# KiCad board cynthion.kicad_pcb (continued)
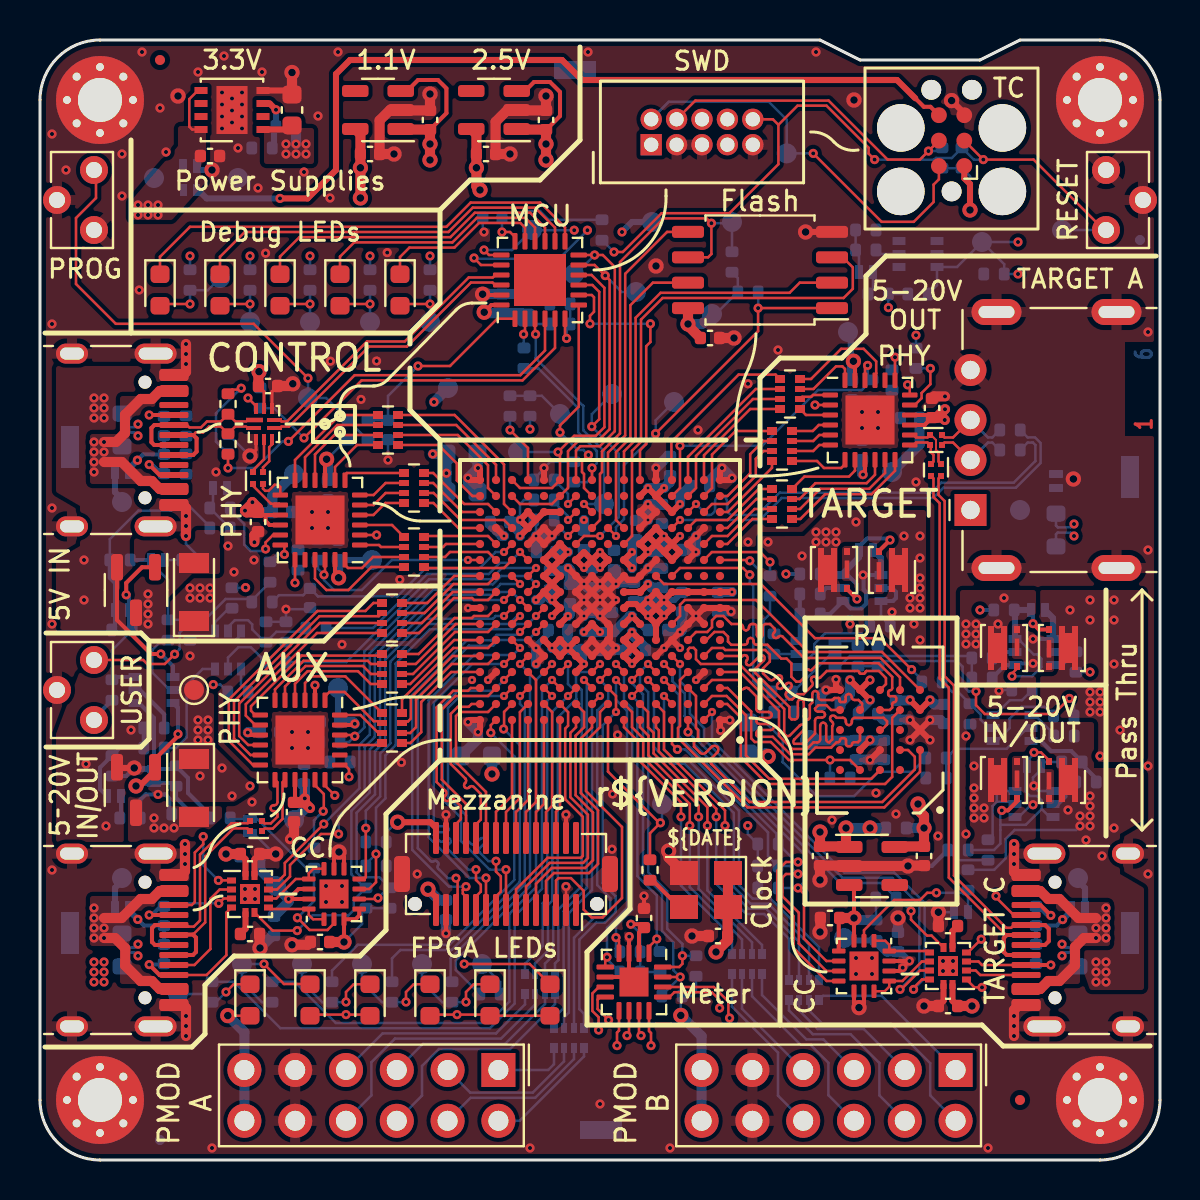
[diagram p0: board, top side]
## Library data of the parts (continued)
J1 J2 J4 = -: Description: USB 2.0-only Type-C Receptacle connector; Manufacturer: DEALON; Part Number: USB-TYPE-C-019; Substitution: Yuandi TYPE-611A-T3
J3 = -: Description: USB Type A connector; Manufacturer: Jing Extension of the Electronic Co.; Part Number: C42411; Substitution: Kycon KUSBXHT-SB-AS1N-B30-NF, Tensility 54-00015, GCT USB1125-GF-B
J5 = -: Description: Generic connectable mounting pin connector, double row, 02x15, counter clockwise pin numbering scheme (similar to DIP package numbering), script generated (kicad-library-utils/schlib/autogen/connector/); Manufacturer: Amphenol; Part Number: 10132798-031100LF
J6 = -: Description: Cortex Debug Connector, standard ARM Cortex-M SWD and JTAG interface; DNP: DNP; Manufacturer: Samtec; Part Number: FTSH-105-01-F-D-K
J7 J8 = -: Description: Generic connector, double row, 02x06, top/bottom pin numbering scheme (row 1: 1...pins_per_row, row2: pins_per_row+1 ... num_pins), script generated (kicad-library-utils/schlib/autogen/connector/); Manufacturer: DEALON; Note: populate only when assembling for installation in enclosure; Part Number: DW254W-22-12-85; Substitution: HCTL PM254-2-06-W-8.5, Sullins PPPC062LJBN-RC
J10 = -: Description: Generic connector, double row, 02x03, odd/even pin numbering scheme (row 1 odd numbers, row 2 even numbers), script generated (kicad-library-utils/schlib/autogen/connector/); Manufacturer: Tag-Connect; Part Number: TC2030-CTX; Substitution: TC2030-IDC
J11-J16 = -: Description: Generic connector, single row, 01x01, script generated; Manufacturer: BAT WIRELESS; Note: populate only when assembling for installation in enclosure; Part Number: BW0033AG-L3.4W0.9H1.8
Q1 Q2 Q4-Q7 = -: Description: -12A Id, -30V Vds, P-Channel MOSFET, PowerPAK SC70-6; Manufacturer: Vishay Siliconix; Part Number: SIA483ADJ-T1-GE3; Substitution: SIA483DJ-T1-GE3, Nexperia PMPB16EPX, PMPB27EP,115
Q3 Q8 Q11 Q16 = -: Description: 100mA IC, 45V Vce, Dual NPN/NPN Transistors, SOT-363; Manufacturer: Yangzhou Yangjie; Part Number: BC847BS
Q9 Q12 = -: Description: P-MOSFET transistor, gate/source/drain; Manufacturer: Yangzhou Yangjie; Part Number: YJL3401A; Substitution: Alpha & Omega AO3401A
Q10 Q13-Q15 = -: Description: Dual PNP transistor, 6 pin package; Manufacturer: Yangzhou Yangjie; Part Number: BC857BS
R1 R2 R42 R59 = -: Description: Shunt resistor; Manufacturer: Panasonic; Part Number: ERJ-3BWFR020V
R3 R43 R47-R49 R60 R61 R69 R70 R76 R77 R107 = -: Description: Resistor; Manufacturer: Panasonic; Part Number: ERJ-2GEJ333X; Substitution: any equivalent
R4 R16 R18 R20 R51 R53 R101 R105 = -: Description: Resistor; Manufacturer: Panasonic; Part Number: ERJ-2RKF8061X; Substitution: any equivalent
R5 R8-R10 R30 R31 R33 R38 R40 R63 R65 R71 R78 R83 R84 R88 R97 R98 = -: Description: Resistor; Manufacturer: Yageo; Part Number: RC0402JR-072K2L; Substitution: any equivalent
R6 R7 R11 R13 R34 R35 R44-R46 R87 R102 R109 R110 R119 = -: Description: Resistor; Manufacturer: Yageo; Part Number: RC0402JR-075K1L; Substitution: any equivalent
R12 R14 R108 = -: Description: Resistor; Manufacturer: Yageo; Part Number: RC0402FR-13330RL; Substitution: any equivalent
R15 R22-R24 R29 R41 R64 R66 R72 R79 R89 R106 R111 = -: Description: Resistor; Manufacturer: Yageo; Part Number: RC0402JR-0710KL; Substitution: any equivalent
R17 R19 R21 = -: Description: Resistor; Manufacturer: Yageo; Part Number: RC0402JR-0720KL; Substitution: any equivalent
R25 R55 R56 R68 R75 = -: Description: Resistor; Manufacturer: Yageo; Part Number: RC0402JR-07820KL; Substitution: any equivalent
R26-R28 R57 R58 R118 = -: Description: Resistor; Manufacturer: Yageo; Part Number: RC0402JR-071KL; Substitution: any equivalent
R32 R36 R50 R54 R103 R112-R116 = -: Description: Resistor; Manufacturer: Yageo; Part Number: RC0402FR-070RL; Substitution: any equivalent
R37 R39 R85 R86 R99 R100 = -: Description: Resistor; DNP: DNP; Manufacturer: Yageo; Part Number: RC0402JR-0710KL; Substitution: any equivalent
R52 = -: Description: Resistor; Manufacturer: Yageo; Part Number: RC0402FR-0729K4L; Substitution: any equivalent
R62 R90-R96 R120 = -: Description: Resistor; Manufacturer: Panasonic; Part Number: ERJ-2GEJ104X; Substitution: any equivalent
R67 R73 R74 R80 R104 = -: Description: Resistor; Manufacturer: Panasonic; Part Number: ERJ-2RKF1872X; Substitution: any equivalent
R81 = -: Description: Resistor; DNP: DNP; Manufacturer: Yageo; Part Number: RC0402FR-0757K6L; Substitution: any equivalent
R82 = -: Description: Resistor; DNP: DNP; Manufacturer: Panasonic; Part Number: ERJ-2RKF1872X; Substitution: any equivalent
R117 = -: Description: Resistor; DNP: DNP; Manufacturer: Yageo; Part Number: RC0402FR-070RL; Substitution: any equivalent
RN1-RN4 = -: Description: 4 resistor network, parallel topology; Manufacturer: Yageo; Part Number: YC124-JR-0733RL; Substitution: any equivalent
RN5-RN13 = -: Description: 4 resistor network, parallel topology; Manufacturer: Yageo; Part Number: YC124-JR-070RL; Substitution: any equivalent
SW1-SW3 = -: Description: Single Pole Single Throw (SPST) switch with shield; Manufacturer: XKB; Part Number: TC-1109DE-B-F; Substitution: DEALON TC-1150DL-6.0H-160
TP1-TP12 TP14-TP24 TP26-TP28 TP30-TP32 TP34-TP41 TP43 TP47 TP49 TP52-TP55 = -: Description: test point
U1 = -: Description: Single/Multi-Channel Power Monitor with Accumulator, 32V Full-Scale Range; Manufacturer: Microchip; Part Number: PAC1954T-E/4MX
U2 U12 = -: Description: Programmable USB Type-C Controller w/PD, I2C address 0x22, WQFN-14; Manufacturer: onsemi; Part Number: FUSB302BMPX; Substitution: FUSB302BVMPX
U3 = -: Description: low dropout regulator; Manufacturer: Diodes Inc.; Part Number: AP7361EA-33FGE-7; Substitution: AP7361C-33FGE-7
U4 = -: Description: 300mA Low-dropout Voltage Regulator, Vout 1.8V, Vin up to 5.5V, SOT-23; Manufacturer: Toshiba; Part Number: TCR2EF115,LM(CT
U5 = -: Description: 300mA Low-dropout Voltage Regulator, Vout 2.5V, Vin up to 5.5V, SOT-23; Manufacturer: Microchip; Part Number: MIC5504-2.5YM5-TR
U6 = -: Description: ARM Cortex-M0+ MCU, 48MHz, 16KB Flash, 4KB RAM, 1.6-3.6V, 22 GPIO, QFN-24; Manufacturer: Microchip; Part Number: ATSAMD11D14A-MUT; Substitution: ATSAMD11D14A-MNT
U7 = -: Description: 32Mb Serial Flash Memory, Standard/Dual/Quad SPI, SOIC-8; Manufacturer: Winbond; Part Number: W25Q32JVSSIQ
U8 U9 U11 = -: Description: ULPI USB Transciever (PHY); Manufacturer: Microchip
U10 = -: Description: DRAM 64Mb HyperRAM x8, 166MHz, Ind temp, 3.0V; Manufacturer: Winbond; Part Number: W956A8MBYA6I; Substitution: W956A8MBYA5I
U13 U14 = -: Description: 4-CH OVER-VOLTAGE PROTECTION FOR CC/SBU PINS ON USB TYPE-C; Manufacturer: Diodes Inc.; Part Number: DPO2036DBB-7
U15 = -: Description: 300mA Low-dropout Voltage Regulator, Vout 1.8V, Vin up to 5.5V, SOT-23; DNP: DNP; Manufacturer: Microchip; Part Number: MIC5504-1.8YM5-TR
U16 = -: Description: USB 2.0 SPDT switch; Manufacturer: Diodes Inc.; Part Number: PI3USB102GZLEX
Y1 = -: Description: MEMS OSC XO 60.0000MHZ H/LV-CMOS; Manufacturer: SiTIME; Part Number: SIT1602BC-23-33E-60.000000E; Substitution: SIT1602B*-2*-33E-60.000000*, SIT1602B*-2*-33N-60.000000*

## Footprints (pads in the part's own frame, mm; a bottom-side part is the same pattern mirrored in y, then rotated)
Amphenol_10132798-03
  round 0.7 hole 0.7 unplated: (-4.55,1.5) (4.55,1.5)
  rrect 0.3x1.6 smd: 1(-3.5,1.8) 2(-3,1.8) 3(-2.5,1.8) 4(-2,1.8) 5(-1.5,1.8) 6(-1,1.8) 7(-0.5,1.8) 8(0,1.8) 9(0.5,1.8) 10(1,1.8) 11(1.5,1.8) 12(2,1.8) 13(2.5,1.8) 14(3,1.8) 15(3.5,1.8) 16(3.5,-1.8) 17(3,-1.8) 18(2.5,-1.8) 19(2,-1.8) 20(1.5,-1.8) 21(1,-1.8) 22(0.5,-1.8) 23(0,-1.8) 24(-0.5,-1.8) 25(-1,-1.8) 26(-1.5,-1.8) 27(-2,-1.8) 28(-2.5,-1.8) 29(-3,-1.8) 30(-3.5,-1.8)
  rrect 0.8x1.8 smd: MP(-5.2,0) MP(5.2,0)
BGA-24_5x5_6.0x8.0mm
  round 0.4 smd: A2(-1,2) A3(0,2) A4(1,2) A5(2,2) B1(-2,1) B2(-1,1) B3(0,1) B4(1,1) B5(2,1) C1(-2,0) C2(-1,0) C3(0,0) C4(1,0) C5(2,0) D1(-2,-1) D2(-1,-1) D3(0,-1) D4(1,-1) D5(2,-1) E1(-2,-2) E2(-1,-2) E3(0,-2) E4(1,-2) E5(2,-2)
BW0033AG-L3.4W0.9H1.8
  rect 2.1x0.9 smd: 1(-0.65,0)
C_0402_1005Metric
  rrect 0.56x0.62 smd: 1(-0.48,0) 2(0.48,0)
C_0603_1608Metric
  rrect 0.9x0.95 smd: 1(-0.775,0) 2(0.775,0)
Crystal_SMD_3225-4Pin_3.2x2.5mm
  rect 1.4x1.2 smd: 1(-1.1,-0.85) 2(1.1,-0.85) 3(1.1,0.85) 4(-1.1,0.85)
D_SOD-123FL
  rect 1x1.5 smd: 1(-1.45,0) 2(1.45,0)
DFN1006-2
  rrect 0.4x0.7 smd: 1(-0.35,0) 2(0.35,0)
DFN-8-1EP_3x3mm_P0.65mm_EP1.55x2.4mm
  rect 0.6x1 smd: (-0.388,0.6) (-0.388,-0.6) (0.388,0.6) (0.388,-0.6)
  rect 0.65x0.35 smd: 1(-1.55,0.975) 2(-1.55,0.325) 3(-1.55,-0.325) 4(-1.55,-0.975) 5(1.55,-0.975) 6(1.55,-0.325) 7(1.55,0.325) 8(1.55,0.975)
  rect 1.55x2.4 smd: 9(0,0)
Diodes_10-TQFN_ZL
  rect 0.85x0.225 smd: 1(-0.475,0.2)
  rect 0.75x0.2 smd: 2(-0.525,-0.2) 6(0.525,-0.2) 7(0.525,0.2)
  rect 0.2x0.55 smd: 3(-0.4,-0.775) 4(0,-0.775) 5(0.4,-0.775) 8(0.4,0.775) 9(0,0.775) 10(-0.4,0.775)
Diodes_UQFN2020-12_Type-B
  rect 0.45x0.3 smd: 1(-0.925,0.675) 2(-0.925,0.225) 3(-0.925,-0.225) 4(-0.925,-0.675) 7(0.925,-0.675) 8(0.925,-0.225) 9(0.925,0.225) 10(0.925,0.675)
  rect 0.3x0.45 smd: 5(-0.225,-0.925) 6(0.225,-0.925) 11(0.225,0.925) 12(-0.225,0.925)
  rect 1x1 smd: 13(0,0)
DSN1006-2
  rect 0.35x0.6 smd: 1(-0.325,0) 2(0.325,0)
Fiducial_0.5mm_Mask1mm
  round 0.5 smd: (0,0)
L_CommonModeChoke_Murata_DLM0NS
  rrect 0.3x0.3 smd: 1(-0.3,0.25) 2(0.3,0.25) 3(-0.3,-0.25) 4(0.3,-0.25)
lattice_cabga256
  round 0.41 smd: A1(-6,6) A2(-5.2,6) A3(-4.4,6) A4(-3.6,6) A5(-2.8,6) A6(-2,6) A7(-1.2,6) A8(-0.4,6) A9(0.4,6) A10(1.2,6) A11(2,6) A12(2.8,6) A13(3.6,6) A14(4.4,6) A15(5.2,6) A16(6,6) B1(-6,5.2) B2(-5.2,5.2) B3(-4.4,5.2) B4(-3.6,5.2) B5(-2.8,5.2) B6(-2,5.2) B7(-1.2,5.2) B8(-0.4,5.2) B9(0.4,5.2) B10(1.2,5.2) B11(2,5.2) B12(2.8,5.2) B13(3.6,5.2) B14(4.4,5.2) B15(5.2,5.2) B16(6,5.2) C1(-6,4.4) C2(-5.2,4.4) C3(-4.4,4.4) C4(-3.6,4.4) C5(-2.8,4.4) C6(-2,4.4) C7(-1.2,4.4) C8(-0.4,4.4) C9(0.4,4.4) C10(1.2,4.4) C11(2,4.4) C12(2.8,4.4) C13(3.6,4.4) C14(4.4,4.4) C15(5.2,4.4) C16(6,4.4) D1(-6,3.6) D2(-5.2,3.6) D3(-4.4,3.6) D4(-3.6,3.6) D5(-2.8,3.6) D6(-2,3.6) D7(-1.2,3.6) D8(-0.4,3.6) D9(0.4,3.6) D10(1.2,3.6) D11(2,3.6) D12(2.8,3.6) D13(3.6,3.6) D14(4.4,3.6) D15(5.2,3.6) D16(6,3.6) E1(-6,2.8) E2(-5.2,2.8) E3(-4.4,2.8) E4(-3.6,2.8) E5(-2.8,2.8) E6(-2,2.8) E7(-1.2,2.8) E8(-0.4,2.8) E9(0.4,2.8) E10(1.2,2.8) E11(2,2.8) E12(2.8,2.8) E13(3.6,2.8) E14(4.4,2.8) E15(5.2,2.8) E16(6,2.8) F1(-6,2) F2(-5.2,2) F3(-4.4,2) F4(-3.6,2) F5(-2.8,2) F6(-2,2) F7(-1.2,2) F8(-0.4,2) F9(0.4,2) F10(1.2,2) F11(2,2) F12(2.8,2) F13(3.6,2) F14(4.4,2) F15(5.2,2) F16(6,2) G1(-6,1.2) G2(-5.2,1.2) G3(-4.4,1.2) G4(-3.6,1.2) G5(-2.8,1.2) G6(-2,1.2) G7(-1.2,1.2) G8(-0.4,1.2) G9(0.4,1.2) G10(1.2,1.2) G11(2,1.2) G12(2.8,1.2) G13(3.6,1.2) G14(4.4,1.2) G15(5.2,1.2) G16(6,1.2) H1(-6,0.4) H2(-5.2,0.4) H3(-4.4,0.4) H4(-3.6,0.4) H5(-2.8,0.4) H6(-2,0.4) H7(-1.2,0.4) H8(-0.4,0.4) H9(0.4,0.4) H10(1.2,0.4) H11(2,0.4) H12(2.8,0.4) H13(3.6,0.4) H14(4.4,0.4) H15(5.2,0.4) H16(6,0.4) J1(-6,-0.4) J2(-5.2,-0.4) J3(-4.4,-0.4) J4(-3.6,-0.4) J5(-2.8,-0.4) J6(-2,-0.4) J7(-1.2,-0.4) J8(-0.4,-0.4) J9(0.4,-0.4) J10(1.2,-0.4) J11(2,-0.4) J12(2.8,-0.4) J13(3.6,-0.4) J14(4.4,-0.4) J15(5.2,-0.4) J16(6,-0.4) K1(-6,-1.2) K2(-5.2,-1.2) K3(-4.4,-1.2) K4(-3.6,-1.2) K5(-2.8,-1.2) K6(-2,-1.2) K7(-1.2,-1.2) K8(-0.4,-1.2) K9(0.4,-1.2) K10(1.2,-1.2) K11(2,-1.2) K12(2.8,-1.2) K13(3.6,-1.2) K14(4.4,-1.2) K15(5.2,-1.2) K16(6,-1.2) L1(-6,-2) L2(-5.2,-2) L3(-4.4,-2) L4(-3.6,-2) L5(-2.8,-2) L6(-2,-2) L7(-1.2,-2) L8(-0.4,-2) L9(0.4,-2) L10(1.2,-2) L11(2,-2) L12(2.8,-2) L13(3.6,-2) L14(4.4,-2) L15(5.2,-2) L16(6,-2) M1(-6,-2.8) M2(-5.2,-2.8) M3(-4.4,-2.8) M4(-3.6,-2.8) M5(-2.8,-2.8) M6(-2,-2.8) M7(-1.2,-2.8) M8(-0.4,-2.8) M9(0.4,-2.8) M10(1.2,-2.8) M11(2,-2.8) M12(2.8,-2.8) M13(3.6,-2.8) M14(4.4,-2.8) M15(5.2,-2.8) M16(6,-2.8) N1(-6,-3.6) N2(-5.2,-3.6) N3(-4.4,-3.6) N4(-3.6,-3.6) N5(-2.8,-3.6) N6(-2,-3.6) N7(-1.2,-3.6) N8(-0.4,-3.6) N9(0.4,-3.6) N10(1.2,-3.6) N11(2,-3.6) N12(2.8,-3.6) N13(3.6,-3.6) N14(4.4,-3.6) N15(5.2,-3.6) N16(6,-3.6) P1(-6,-4.4) P2(-5.2,-4.4) P3(-4.4,-4.4) P4(-3.6,-4.4) P5(-2.8,-4.4) P6(-2,-4.4) P7(-1.2,-4.4) P8(-0.4,-4.4) P9(0.4,-4.4) P10(1.2,-4.4) P11(2,-4.4) P12(2.8,-4.4) P13(3.6,-4.4) P14(4.4,-4.4) P15(5.2,-4.4) P16(6,-4.4) R1(-6,-5.2) R2(-5.2,-5.2) R3(-4.4,-5.2) R4(-3.6,-5.2) R5(-2.8,-5.2) R6(-2,-5.2) R7(-1.2,-5.2) R8(-0.4,-5.2) R9(0.4,-5.2) R10(1.2,-5.2) R11(2,-5.2) R12(2.8,-5.2) R13(3.6,-5.2) R14(4.4,-5.2) R15(5.2,-5.2) R16(6,-5.2) T1(-6,-6) T2(-5.2,-6) T3(-4.4,-6) T4(-3.6,-6) T5(-2.8,-6) T6(-2,-6) T7(-1.2,-6) T8(-0.4,-6) T9(0.4,-6) T10(1.2,-6) T11(2,-6) T12(2.8,-6) T13(3.6,-6) T14(4.4,-6) T15(5.2,-6) T16(6,-6)
LED_0603_1608Metric
  rrect 0.875x0.95 smd: 1(-0.787,0) 2(0.787,0)
MountingHole_2.2mm_M2_Pad_Via
  round 0.7 hole 0.4: 1(-1.65,0) 1(-1.167,1.167) 1(-1.167,-1.167) 1(0,1.65) 1(0,-1.65) 1(1.167,1.167) 1(1.167,-1.167) 1(1.65,0)
  round 4.4 hole 2.2: 1(0,0)
PinSocket_2x06_P2.54mm_PMOD
  rect 1.7x1.7 hole 1: 1(0,0)
  oval 1.7x1.7 hole 1: 2(0,2.54) 3(0,5.08) 4(0,7.62) 5(0,10.16) 6(0,12.7) 7(-2.54,0) 8(-2.54,2.54) 9(-2.54,5.08) 10(-2.54,7.62) 11(-2.54,10.16) 12(-2.54,12.7)
QFN-16-1EP_3x3mm_P0.5mm_EP1.45x1.45mm
  rrect 0.58x0.58 smd: (-0.36,0.36) (-0.36,-0.36) (0.36,0.36) (0.36,-0.36)
  rrect 0.875x0.25 smd: 1(-1.438,0.75) 2(-1.438,0.25) 3(-1.438,-0.25) 4(-1.438,-0.75) 9(1.438,-0.75) 10(1.438,-0.25) 11(1.438,0.25) 12(1.438,0.75)
  rrect 0.25x0.875 smd: 5(-0.75,-1.438) 6(-0.25,-1.438) 7(0.25,-1.438) 8(0.75,-1.438) 13(0.75,1.438) 14(0.25,1.438) 15(-0.25,1.438) 16(-0.75,1.438)
  rect 1.45x1.45 smd: 17(0,0)
QFN-24-1EP_4x4mm_P0.5mm_EP2.6x2.6mm
  rrect 1.05x1.05 smd: (-0.65,0.65) (-0.65,-0.65) (0.65,0.65) (0.65,-0.65)
  rrect 0.825x0.25 smd: 1(-1.938,1.25) 2(-1.938,0.75) 3(-1.938,0.25) 4(-1.938,-0.25) 5(-1.938,-0.75) 6(-1.938,-1.25) 13(1.938,-1.25) 14(1.938,-0.75) 15(1.938,-0.25) 16(1.938,0.25) 17(1.938,0.75) 18(1.938,1.25)
  rrect 0.25x0.825 smd: 7(-1.25,-1.938) 8(-0.75,-1.938) 9(-0.25,-1.938) 10(0.25,-1.938) 11(0.75,-1.938) 12(1.25,-1.938) 19(1.25,1.938) 20(0.75,1.938) 21(0.25,1.938) 22(-0.25,1.938) 23(-0.75,1.938) 24(-1.25,1.938)
  rect 2.6x2.6 smd: 25(0,0)
R_0402_1005Metric
  rrect 0.54x0.64 smd: 1(-0.51,0) 2(0.51,0)
R_0603_1608Metric_Current_Sense
  rrect 0.8x0.95 smd: 1(-0.825,0) 4(0.825,0)
  rect 0.15x0.5 smd: 2(-0.5,0) 3(0.5,0)
R_Array_Convex_4x0402
  rect 0.5x0.4 smd: 1(-0.5,0.75) 4(-0.5,-0.75) 5(0.5,-0.75) 8(0.5,0.75)
  rect 0.5x0.3 smd: 2(-0.5,0.25) 3(-0.5,-0.25) 6(0.5,-0.25) 7(0.5,0.25)
SOIC-8_5.23x5.23mm_P1.27mm
  rrect 1.6x0.6 smd: 1(-3.6,1.905) 2(-3.6,0.635) 3(-3.6,-0.635) 4(-3.6,-1.905) 5(3.6,-1.905) 6(3.6,-0.635) 7(3.6,0.635) 8(3.6,1.905)
SOT-23-3
  rrect 1.325x0.6 smd: 1(-1.137,0.95) 2(-1.137,-0.95) 3(1.137,0)
SOT-23-5
  rrect 1.325x0.6 smd: 1(-1.137,0.95) 2(-1.137,0) 3(-1.137,-0.95) 4(1.137,-0.95) 5(1.137,0.95)
SOT-363_SC-70-6
  rect 0.65x0.4 smd: 1(-0.95,0.65) 2(-0.95,0) 3(-0.95,-0.65) 4(0.95,-0.65) 5(0.95,0) 6(0.95,0.65)
SW_Tactile_SPST_Angled_TC-1109DE-B-F
  round 1.4 hole 0.8: 1(0,0) 2(-3,0) 3(-1.5,1.85)
SWD_CONNECTOR_LARGE_BOX
  rect 1.067x1.067 hole 0.711: 1(-2.54,-0.635)
  round 1.067 hole 0.711: 2(-2.54,0.635) 3(-1.27,-0.635) 4(-1.27,0.635) 5(0,-0.635) 6(0,0.635) 7(1.27,-0.635) 8(1.27,0.635) 9(2.54,-0.635) 10(2.54,0.635)
Tag-Connect_TC2030-IDC-FP_2x03_P1.27mm_Vertical
  round 2.375 hole 2.375 unplated: (-2.54,2.54) (-2.54,-2.54) (0.635,2.54) (0.635,-2.54)
  round 0.991 hole 0.991 unplated: (-2.54,0) (2.54,1.016) (2.54,-1.016)
  round 0.787 smd: 1(-1.27,-0.635) 2(-1.27,0.635) 3(0,-0.635) 4(0,0.635) 5(1.27,-0.635) 6(1.27,0.635)
TestPoint_Pad_D1.0mm
  round 1 smd: 1(0,0)
USB_A_Kycon_KUSBXHT-SB-AS1N-B30-NF_Horizontal
  rect 1.6x1.6 hole 0.92: 1(0,0)
  round 1.6 hole 0.92: 2(2.5,0) 3(4.5,0) 4(7,0)
  oval 1.3x2.5 hole 0.6x1.8: 5(-2.9,-1.3) 5(-2.9,-7.3) 5(9.9,-1.3) 5(9.9,-7.3)
USB_C_Receptacle_HRO_TYPE-C-31-M-12
  round 0.65 hole 0.65 unplated: (-2.89,2.6) (2.89,2.6)
  rrect 0.6x1.45 smd: A1(-3.25,4.045) A4(-2.45,4.045) A9(2.45,4.045) A12(3.25,4.045) B1(3.25,4.045) B4(2.45,4.045) B9(-2.45,4.045) B12(-3.25,4.045)
  rrect 0.3x1.45 smd: A5(-1.25,4.045) A6(-0.25,4.045) A7(0.25,4.045) A8(1.25,4.045) B5(1.75,4.045) B6(0.75,4.045) B7(-0.75,4.045) B8(-1.75,4.045)
  oval 1x2.1 hole 0.6x1.7: S1(-4.32,3.13) S1(4.32,3.13)
  oval 1x1.6 hole 0.6x1.2: S1(-4.32,-1.05) S1(4.32,-1.05)
Vishay_PowerPAK_SC70-6L_Single
  rect 0.6x0.8 smd: (-0.35,0.325) (0.35,0.325)
  custom 2.2x0.95 smd: 1(0,0.325)
  rect 0.35x0.3 smd: 3(-0.925,-0.65) 4(0.925,-0.65)
  rect 0.87x0.235 smd: 4(0.04,-0.65)
VQFN-24-1EP_4x4mm_P0.5mm_EP2.45x2.45mm
  rrect 0.66x0.66 smd: (-0.82,0.82) (-0.82,0) (-0.82,-0.82) (0,0.82) (0,0) (0,-0.82) (0.82,0.82) (0.82,0) (0.82,-0.82)
  rrect 0.775x0.25 smd: 1(-1.988,1.25) 2(-1.988,0.75) 3(-1.988,0.25) 4(-1.988,-0.25) 5(-1.988,-0.75) 6(-1.988,-1.25) 13(1.988,-1.25) 14(1.988,-0.75) 15(1.988,-0.25) 16(1.988,0.25) 17(1.988,0.75) 18(1.988,1.25)
  rrect 0.25x0.775 smd: 7(-1.25,-1.988) 8(-0.75,-1.988) 9(-0.25,-1.988) 10(0.25,-1.988) 11(0.75,-1.988) 12(1.25,-1.988) 19(1.25,1.988) 20(0.75,1.988) 21(0.25,1.988) 22(-0.25,1.988) 23(-0.75,1.988) 24(-1.25,1.988)
  rect 2.45x2.45 smd: 25(0,0)
WQFN-14-1EP_2.5x2.5mm_P0.5mm_EP1.45x1.45mm
  rrect 0.58x0.58 smd: (-0.36,0.36) (-0.36,-0.36) (0.36,0.36) (0.36,-0.36)
  rrect 0.675x0.25 smd: 1(-1.262,0.5) 2(-1.262,0) 3(-1.262,-0.5) 8(1.262,-0.5) 9(1.262,0) 10(1.262,0.5)
  rrect 0.25x0.675 smd: 4(-0.75,-1.262) 5(-0.25,-1.262) 6(0.25,-1.262) 7(0.75,-1.262) 11(0.75,1.262) 12(0.25,1.262) 13(-0.25,1.262) 14(-0.75,1.262)
  rect 1.45x1.45 smd: 15(0,0)

## Nets
+1V1: C1.1 C3.1 C7.1 C9.1 C11.1 C13.1 C15.1 C17.1 C29.1 IC1.G6 IC1.G7 IC1.G9 IC1.L8 IC1.L9 IC1.L10 TP4.1 U4.5
+2V5: C22.1 C24.1 C26.1 C30.1 IC1.G11 IC1.L7 TP5.1 U5.5
+3V3: C2.1 C4.1 C8.1 C10.1 C12.1 C14.1 C16.1 C18.1 C20.1 C23.1 C27.1 C28.1 C33.1 C34.1 C35.1 C36.1 C38.1 C39.1 C40.1 C41.1 C42.1 C44.1 C46.1 C48.1 C49.1 C56.1 C58.1 C59.1 C61.1 C66.1 C67.1 C73.1 C74.1 C79.1 C80.1 C81.1 D2.2 D3.2 D4.2 D5.2 D6.2 D7.2 IC1.D10 IC1.E6 IC1.E7 IC1.E10 IC1.E11 IC1.F6 IC1.F7 IC1.F10 IC1.F11 IC1.F12 IC1.H11 IC1.J6 IC1.J7 IC1.J11 IC1.J12 IC1.K11 IC1.K12 IC1.L4 IC1.L6 IC1.L11 IC1.L12 IC1.M4 IC1.M5 IC1.M6 IC1.M11 IC1.N5 IC1.N13 IC1.P4 IC1.P11 IC1.P12 IC1.P13 IC1.R5 IC1.R6 J5.15 J5.16 J6.1 J7.6 J7.12 J8.6 J8.12 J10.1 R4.1 R6.1 R7.1 R8.1 R9.1 R10.1 R11.1 R13.2 R15.1 R25.1 R32.2 R33.1 R36.2 R37.1 R38.1 R39.1 R43.1 R52.1 R54.1 R81.1 R83.1 R84.1 R85.1 R86.1 R87.1 R97.1 R98.1 R99.1 R100.1 R101.1 R106.1 R109.1 R110.1 R111.1 TP2.1 TP3.1 TP9.1 TP26.1 U1.2 U2.3 U2.4 U3.1 U4.1 U4.3 U5.1 U5.3 U6.24 U7.8 U8.2 U8.9 U8.15 U8.16 U8.18 U9.2 U9.9 U9.15 U9.16 U9.18 U11.2 U11.9 U11.15 U11.16 U11.18 U12.3 U12.4 U13.12 U14.12 U15.1 U15.3 U16.9 Y1.1 Y1.4
+5V: C6.1 D1.1 D8.1 D9.1 D19.1 TP30.1 TP49.1 U3.5 U3.8
/AUX Port/AUX PHY/VBUS_CLAMPED: D15.1 R21.1 R44.1 U12.2
/AUX Port/AUX PHY/VBUS_SENSE: R21.2 U11.17
/AUX Port/AUX PHY/VDD18: C50.1 TP35.1 U11.23
/CONTROL Port/CONTROL PHY/VBUS_CLAMPED: D22.1 R17.1 R46.1
/CONTROL Port/CONTROL PHY/VBUS_SENSE: R17.2 U8.17
/CONTROL Port/CONTROL PHY/VDD18: C37.1 TP17.1 U8.23
/TARGET Port/TARGET PHY/VBUS_CLAMPED: D18.1 R19.1 R45.1 U2.2
/TARGET Port/TARGET PHY/VBUS_SENSE: R19.2 U9.17
/TARGET Port/TARGET PHY/VDD18: C43.1 TP27.1 U9.23
GND: C1.2 C2.2 C3.2 C4.2 C5.2 C6.2 C7.2 C8.2 C9.2 C10.2 C11.2 C12.2 C13.2 C14.2 C15.2 C16.2 C17.2 C18.2 C19.2 C20.2 C21.2 C22.2 C23.2 C24.2 C25.2 C26.2 C27.2 C28.2 C29.2 C30.2 C31.2 C32.2 C33.2 C34.2 C35.2 C36.2 C37.2 C38.2 C39.2 C40.2 C41.2 C42.2 C43.2 C44.2 C45.2 C46.2 C47.2 C48.2 C49.2 C50.2 C51.2 C52.2 C53.2 C54.2 C55.2 C56.2 C57.2 C58.2 C59.2 C60.2 C61.2 C62.2 C63.2 C64.2 C65.2 C66.2 C67.2 C73.2 C74.2 C76.2 C77.2 C78.2 C79.2 C80.2 C81.2 C82.2 C83.2 D15.2 D18.2 D19.2 D22.2 D23.2 D24.2 D25.2 D26.2 H1.1 H2.1 H3.1 H4.1 IC1.A1 IC1.A16 IC1.D2 IC1.D15 IC1.E5 IC1.E8 IC1.E9 IC1.E12 IC1.F4 IC1.F8 IC1.F9 IC1.F13 IC1.G2 IC1.G3 IC1.G8 IC1.G10 IC1.H1 IC1.H2 IC1.H3 IC1.H8 IC1.H9 IC1.H10 IC1.H16 IC1.J8 IC1.J9 IC1.J10 IC1.K6 IC1.K7 IC1.K8 IC1.K9 IC1.K10 IC1.L3 IC1.L5 IC1.M3 IC1.M12 IC1.M13 IC1.N2 IC1.N6 IC1.N11 IC1.N12 IC1.N15 IC1.P5 IC1.P6 IC1.T1 IC1.T5 IC1.T12 IC1.T16 J1.A1 J1.A12 J1.B1 J1.B12 J1.S1 J2.A1 J2.A12 J2.B1 J2.B12 J2.S1 J3.4 J3.5 J4.A1 J4.A12 J4.B1 J4.B12 J4.S1 J5.2 J5.14 J5.17 J5.29 J5.MP J6.3 J6.5 J6.9 J7.5 J7.11 J8.5 J8.11 J10.5 J11.1 J12.1 J13.1 J14.1 J15.1 J16.1 Q16.1 R12.2 R14.2 R16.1 R18.1 R20.1 R22.2 R23.2 R24.2 R34.1 R35.1 R41.2 R51.2 R53.2 R64.2 R66.2 R70.2 R72.2 R73.2 R77.2 R79.2 R80.2 R82.2 R89.2 R90.1 R91.1 R94.1 R95.1 R96.1 R102.2 R117.1 R119.2 R120.1 SW1.2 SW1.3 SW2.2 SW2.3 SW3.2 SW3.3 TP28.1 U1.3 U1.6 U1.17 U2.8 U2.9 U2.15 U3.4 U3.9 U4.2 U5.2 U6.23 U7.4 U8.25 U9.25 U10.B3 U10.C1 U10.E5 U11.25 U12.8 U12.9 U12.15 U13.11 U13.13 U14.11 U14.13 U15.2 U16.3 U16.8 Y1.2
VCCRAM: C5.1 C19.1 C21.1 C31.1 C32.1 C60.1 C64.1 C65.1 C82.1 C83.1 IC1.F5 IC1.G5 IC1.H4 IC1.H5 IC1.H6 IC1.H7 IC1.J1 IC1.J2 IC1.J3 IC1.J4 IC1.J5 R54.2 TP6.1 U10.B4 U10.D1 U10.E4 U15.5
/AUX Port/AUX PHY/CLK: RN8.8 U11.21
/AUX Port/AUX PHY/DATA0: RN9.8 U11.4
/AUX Port/AUX PHY/DATA1: RN9.7 U11.5
/AUX Port/AUX PHY/DATA2: RN9.6 U11.6
/AUX Port/AUX PHY/DATA3: RN9.5 U11.7
/AUX Port/AUX PHY/DATA4: RN10.8 U11.8
/AUX Port/AUX PHY/DATA5: RN10.7 U11.10
/AUX Port/AUX PHY/DATA6: RN10.6 U11.11
/AUX Port/AUX PHY/DATA7: RN10.5 U11.12
/AUX Port/AUX PHY/DIR: RN8.6 U11.1
/AUX Port/AUX PHY/NXT: RN8.5 U11.3
/AUX Port/AUX PHY/PHY_D+: FL1.1 U11.14
/AUX Port/AUX PHY/PHY_D-: FL1.3 U11.13
/AUX Port/AUX PHY/RBIAS: R20.2 U11.19
/AUX Port/AUX PHY/STP: RN8.7 U11.24
/AUX Port/AUX Type C Controller/CC1: C52.1 J1.A5 U14.3
/AUX Port/AUX Type C Controller/CC1S: U12.10 U12.11 U14.8
/AUX Port/AUX Type C Controller/CC2: C53.1 J1.B5 U14.4
/AUX Port/AUX Type C Controller/CC2S: U12.1 U12.14 U14.7
/AUX Port/AUX Type C Controller/VCONN: C51.1 R32.1 TP37.1 U12.12 U12.13
/AUX Port/AUX_D+: FL1.2 J1.A6 J1.B6
/AUX Port/AUX_D-: FL1.4 J1.A7 J1.B7
/AUX Port/AUX_PHY.CLK: IC1.D16 RN8.1
/AUX Port/AUX_PHY.DATA0: IC1.F16 RN9.1
/AUX Port/AUX_PHY.DATA1: IC1.G15 RN9.2
/AUX Port/AUX_PHY.DATA2: IC1.G16 RN9.3
/AUX Port/AUX_PHY.DATA3: IC1.H15 RN9.4
/AUX Port/AUX_PHY.DATA4: IC1.J15 RN10.1
/AUX Port/AUX_PHY.DATA5: IC1.J16 RN10.2
/AUX Port/AUX_PHY.DATA6: IC1.K15 RN10.3
/AUX Port/AUX_PHY.DATA7: IC1.K16 RN10.4
/AUX Port/AUX_PHY.DIR: IC1.E16 RN8.3
/AUX Port/AUX_PHY.NXT: IC1.F15 RN8.4
/AUX Port/AUX_PHY.STP: IC1.E15 RN8.2
/AUX Port/AUX_PHY.~{RESET}: IC1.J13 R24.1 U11.22
/AUX Port/AUX_SBU1: J1.A8 U14.2
/AUX Port/AUX_SBU2: J1.B8 U14.1
/AUX Port/AUX_TYPE_C.SBU1S: IC1.H13 U14.9
/AUX Port/AUX_TYPE_C.SBU2S: IC1.K14 U14.10
/AUX Port/AUX_TYPE_C.SCL: IC1.H12 R38.2 U12.6
/AUX Port/AUX_TYPE_C.SDA: IC1.G14 R33.2 U12.7
/AUX Port/AUX_TYPE_C.~{FAULT}: IC1.J14 R99.2 U14.6
/AUX Port/AUX_TYPE_C.~{INT}: IC1.H14 R39.2 U12.5
/Clock and Miscellaneous/CLOCK_60MHZ: IC1.A8 R108.1 TP1.1
/CONTROL Port/CONTROL PHY/CLK: RN5.8 U8.21
/CONTROL Port/CONTROL PHY/DATA0: RN6.8 U8.4
/CONTROL Port/CONTROL PHY/DATA1: RN6.7 U8.5
/CONTROL Port/CONTROL PHY/DATA2: RN6.6 U8.6
/CONTROL Port/CONTROL PHY/DATA3: RN6.5 U8.7
/CONTROL Port/CONTROL PHY/DATA4: RN7.8 U8.8
/CONTROL Port/CONTROL PHY/DATA5: RN7.7 U8.10
/CONTROL Port/CONTROL PHY/DATA6: RN7.6 U8.11
/CONTROL Port/CONTROL PHY/DATA7: RN7.5 U8.12
/CONTROL Port/CONTROL PHY/DIR: RN5.6 U8.1
/CONTROL Port/CONTROL PHY/NXT: RN5.5 U8.3
/CONTROL Port/CONTROL PHY/PHY_D+: FL3.1 U8.14
/CONTROL Port/CONTROL PHY/PHY_D-: FL3.3 U8.13
/CONTROL Port/CONTROL PHY/RBIAS: R16.2 U8.19
/CONTROL Port/CONTROL PHY/STP: RN5.7 U8.24
/CONTROL Port/CONTROL_CC1: C25.1 J2.A5 R34.2
/CONTROL Port/CONTROL_CC2: C47.1 J2.B5 R35.2
/CONTROL Port/CONTROL_D+: J2.A6 J2.B6 R56.2 U16.2
/CONTROL Port/CONTROL_D-: J2.A7 J2.B7 R55.1 U16.1
/CONTROL Port/CONTROL_MCU_D+: U6.22 U16.6
/CONTROL Port/CONTROL_MCU_D-: U6.21 U16.7
/CONTROL Port/CONTROL_PHY.CLK: IC1.L14 RN5.1
/CONTROL Port/CONTROL_PHY.DATA0: IC1.N16 RN6.1
/CONTROL Port/CONTROL_PHY.DATA1: IC1.N14 RN6.2
/CONTROL Port/CONTROL_PHY.DATA2: IC1.P16 RN6.3
/CONTROL Port/CONTROL_PHY.DATA3: IC1.P15 RN6.4
/CONTROL Port/CONTROL_PHY.DATA4: IC1.R16 RN7.1
/CONTROL Port/CONTROL_PHY.DATA5: IC1.R15 RN7.2
/CONTROL Port/CONTROL_PHY.DATA6: IC1.T15 RN7.3
/CONTROL Port/CONTROL_PHY.DATA7: IC1.P14 RN7.4
/CONTROL Port/CONTROL_PHY.DIR: IC1.M16 RN5.3
/CONTROL Port/CONTROL_PHY.NXT: IC1.M15 RN5.4
/CONTROL Port/CONTROL_PHY.STP: IC1.L15 RN5.2
/CONTROL Port/CONTROL_PHY.~{RESET}: IC1.L16 R22.1 U8.22
/CONTROL Port/CONTROL_RESET_DETECT: C62.1 R55.2 R56.1 U6.4
/CONTROL Port/CONTROL_SWITCH: R15.2 U6.5 U16.10
/Debugger/FPGA_ADV: IC1.T6 U6.8
/Debugger/FPGA_CONFIG.DONE: IC1.P9 TP12.1 U6.3
/Debugger/FPGA_CONFIG.~{INIT}: IC1.T9 R102.1 R118.1
/Debugger/FPGA_CONFIG.~{PROGRAM}: IC1.R9 R5.1 R6.2 TP14.1 U6.7
/Debugger/FPGA_JTAG.TCK: IC1.T10 TP21.1 U6.12
/Debugger/FPGA_JTAG.TDI: IC1.R11 IC1.R14 TP24.1 U6.11
/Debugger/FPGA_JTAG.TDO: IC1.M10 TP23.1 U6.9
/Debugger/FPGA_JTAG.TMS: IC1.T11 IC1.T14 TP22.1 U6.10
/Debugger/LED10: D10.1 U6.13
/Debugger/LED11: D11.1 U6.14
/Debugger/LED12: D12.1 U6.15
/Debugger/LED13: D13.1 U6.16
/Debugger/LED14: D14.1 U6.17
/Debugger/MCU_SWCLK: J6.4 J10.4 R111.2 TP19.1 U6.19
/Debugger/MCU_SWDIO: J6.2 J10.2 TP20.1 U6.20
/Debugger/~{BTN_PROGRAM}: C76.1 R104.1 U6.1
/Debugger/~{BTN_RESET}: J6.10 J10.3 R25.2 R105.1 SW2.1 TP18.1
/Expansion Interfaces/A1: J7.1 RN1.8
/Expansion Interfaces/A2: J7.2 RN1.7
/Expansion Interfaces/A3: J7.3 RN2.6
/Expansion Interfaces/A4: J7.4 RN2.8
/Expansion Interfaces/A7: J7.7 RN1.5
/Expansion Interfaces/A8: J7.8 RN1.6
/Expansion Interfaces/A9: J7.9 RN2.5
/Expansion Interfaces/A10: J7.10 RN2.7
/Expansion Interfaces/B1: J8.1 RN4.5
/Expansion Interfaces/B2: J8.2 RN4.7
/Expansion Interfaces/B3: J8.3 RN3.5
/Expansion Interfaces/B4: J8.4 RN3.7
/Expansion Interfaces/B7: J8.7 RN4.6
/Expansion Interfaces/B8: J8.8 RN4.8
/Expansion Interfaces/B9: J8.9 RN3.6
/Expansion Interfaces/B10: J8.10 RN3.8
/Expansion Interfaces/MEZZANINE3: IC1.B8 J5.3
/Expansion Interfaces/MEZZANINE4: IC1.A9 J5.4
/Expansion Interfaces/MEZZANINE5: IC1.B10 J5.5
/Expansion Interfaces/MEZZANINE6: IC1.A10 J5.6
/Expansion Interfaces/MEZZANINE7: IC1.B11 J5.7
/Expansion Interfaces/MEZZANINE8: IC1.D14 J5.8
/Expansion Interfaces/MEZZANINE9: IC1.C14 J5.9
/Expansion Interfaces/MEZZANINE10: IC1.F14 J5.10
/Expansion Interfaces/MEZZANINE11: IC1.E14 J5.11
/Expansion Interfaces/MEZZANINE12: IC1.G13 J5.12
/Expansion Interfaces/MEZZANINE13: IC1.G12 J5.13
/Expansion Interfaces/MEZZANINE18: IC1.C16 J5.18
/Expansion Interfaces/MEZZANINE19: IC1.C15 J5.19
/Expansion Interfaces/MEZZANINE20: IC1.B16 J5.20
/Expansion Interfaces/MEZZANINE21: IC1.B15 J5.21
/Expansion Interfaces/MEZZANINE22: IC1.A14 J5.22
/Expansion Interfaces/MEZZANINE23: IC1.B13 J5.23
/Expansion Interfaces/MEZZANINE24: IC1.A13 J5.24
/Expansion Interfaces/MEZZANINE25: IC1.D13 J5.25
/Expansion Interfaces/MEZZANINE26: IC1.A12 J5.26
/Expansion Interfaces/MEZZANINE27: IC1.B12 J5.27
/Expansion Interfaces/MEZZANINE28: IC1.A11 J5.28
/Expansion Interfaces/PMOD_A1: IC1.C9 RN1.1
/Expansion Interfaces/PMOD_A2: IC1.B9 RN1.2
/Expansion Interfaces/PMOD_A3: IC1.D11 RN2.3
/Expansion Interfaces/PMOD_A4: IC1.C12 RN2.1
/Expansion Interfaces/PMOD_A7: IC1.C8 RN1.4
/Expansion Interfaces/PMOD_A8: IC1.D8 RN1.3
/Expansion Interfaces/PMOD_A9: IC1.D9 RN2.4
/Expansion Interfaces/PMOD_A10: IC1.C10 RN2.2
/Expansion Interfaces/PMOD_B1: IC1.B4 RN4.4
/Expansion Interfaces/PMOD_B2: IC1.B5 RN4.2
/Expansion Interfaces/PMOD_B3: IC1.B6 RN3.4
/Expansion Interfaces/PMOD_B4: IC1.B7 RN3.2
/Expansion Interfaces/PMOD_B7: IC1.C5 RN4.3
/Expansion Interfaces/PMOD_B8: IC1.A5 RN4.1
/Expansion Interfaces/PMOD_B9: IC1.A6 RN3.3
/Expansion Interfaces/PMOD_B10: IC1.A7 RN3.1
/FPGA Bank 8 and Configuration Flash/FPGA_CFG0: IC1.N10 R12.1
/FPGA Bank 8 and Configuration Flash/FPGA_CFG1: IC1.P10 R13.1
